# KiCad board sswkbd.kicad_pcb (continued)
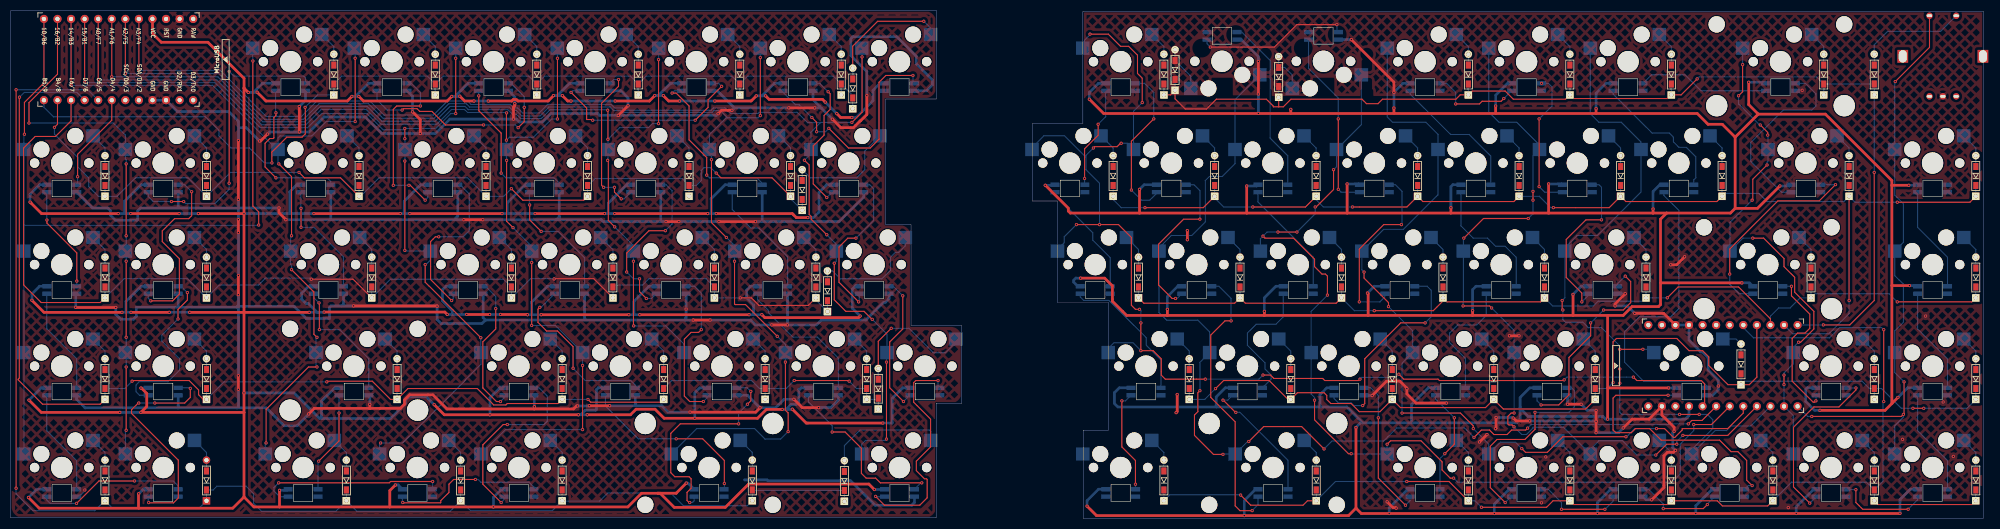
[diagram p0: board, top side]
## Routing (per net, layer and track width the routed paths; a pad name or vN(x,y) marks a point on that pad's centre or on a via; arc(x,y) is an arc through that point) (continued)
col_r_5: length 185.1
  Top w0.2: v1(244.22,58.34) 244.38,58.34 247.65,61.6 v1(247.65,65.32) ; v1(315.09,17.57) 318.4,17.57 U2.18 ; v1(237.24,53.64) v1(240.79,53.64) ; v1(250.95,12.11) 250.44,12.11 244.09,18.46 v1(244.09,22.14) ; v1(257.68,13.89) 258.32,14.52 264.03,14.52 267.97,10.58 267.97,9.06 269.49,7.54 v1(270.13,7.54) ; v1(234.44,52.87) 234.82,52.49 240.16,52.49 244.09,48.56 244.09,47.16 245.49,45.76 246.13,45.76 246.51,45.38 v1(246.51,41.83)
  Bottom w0.2: v1(246.51,41.83) 243.46,38.77 SW59.1 243.46,23.29 244.09,22.65 v1(244.09,22.14) ; v1(237.24,53.64) 235.2,53.64 v1(234.44,52.87) 233.96,52.39 SW43.1 ; 252.85,83.1 252.85,73.75 SW27.1 248.21,65.88 v1(247.65,65.32) ; v1(257.68,13.89) 257.68,12.08 SW74.1 251,12.06 v1(250.95,12.11) ; v1(244.22,58.34) 244.22,57.07 v1(240.79,53.64) ; v1(270.13,7.54) 270.89,6.77 311.02,6.77 312.55,8.3 312.55,13.89 315.09,16.43 v1(315.09,17.57)
col_r_6: length 196.1
  Top w0.2: U2.19 316.62,18.33 314.71,18.33 v1(314.07,17.7) ; v1(231.77,14.39) 234.57,17.19 241.68,17.19 v1(245.87,13) ; v1(222.63,23.92) 222.25,23.54 222.25,19.98 221.62,19.35 221.62,15.54 225.17,11.98 v1(226.95,11.98) ; v1(283.98,16.9) 283.62,16.54 280.98,16.54 280.14,15.7 277.68,15.7 276.88,16.5 276.88,16.54 275.32,16.54 v1(273.94,15.16)
  Bottom w0.2: v1(283.98,16.9) 284.65,17.57 310.51,17.57 310.64,17.7 v1(314.07,17.7) ; v1(273.94,15.16) 272.16,16.93 259.46,16.93 257.01,14.49 247.36,14.49 v1(245.87,13) ; v1(222.63,23.92) 222.63,29.23 SW58.1 224.46,34.92 222.25,37.13 216.41,37.13 214.96,38.58 SW42.1 214.96,50.66 217.3,53 221.11,53 223.65,55.54 223.65,63.29 224.41,64.05 226.82,64.05 229.21,66.43 SW26.1 229.21,78.45 233.85,83.1 ; v1(231.77,14.39) 231.57,14.39 SW73.1 227.02,12.06 v1(226.95,11.98)
col_r_7: length 233.7
  Top w0.2: v1(211.84,77.89) 211.84,82.47 210.95,83.35 210.95,86.78 209.3,88.43 207.77,88.43 205.49,90.72 v1(202.06,90.72) ; v1(199.52,55.03) 207.39,55.03 209.8,52.62 209.8,39.92 210.57,39.16 v1(211.33,39.16) ; v1(223.65,26.08) 216.15,26.08 215.39,26.84 215.39,29.89 213.87,31.41 v1(211.58,31.41) v1(211.58,36.62) ; v1(207.9,70.27) 207.77,70.27 207.14,69.64 202.95,69.64 v1(202.69,69.38) ; v1(290.83,25.95) 290.7,25.82 267.46,25.82 267.21,26.08 260.8,26.08 v1(259.88,27) ; v1(303.78,26.46) 304.42,25.82 316.48,25.82 317.12,25.19 317.12,21.37 U2.20 ; v1(234.44,26.84) 235.84,26.84 236.47,26.2 245.62,26.2 246,25.82 252.35,25.82 v1(252.6,26.08)
  Bottom w0.2: v1(207.9,70.27) 209.04,70.27 SW25.1 210.21,76.26 v1(211.84,77.89) ; 201.03,88.11 201.03,89.56 202.06,90.59 v1(202.06,90.72) ; v1(203.83,55.03) 203.83,62.78 201.3,65.32 201.3,67.67 ; v1(290.83,25.95) 291.34,26.46 v1(303.78,26.46) ; 201.3,67.67 197.29,71.67 193.42,71.67 191.53,69.78 191.53,69.11 ; 201.3,67.67 201.3,67.99 v1(202.69,69.38) ; v1(223.65,26.08) 233.68,26.08 v1(234.44,26.84) ; v1(211.58,36.62) 211.58,38.9 v1(211.33,39.16) ; v1(211.58,31.41) 210.09,32.91 206.55,32.91 205.78,32.14 205.78,31.06 ; 196.28,50.08 196.28,50.68 197.23,51.63 197.23,52.75 v1(199.52,55.03) ; v1(259.88,27) 259.28,26.4 252.93,26.4 v1(252.6,26.08)
LED: length 18.6
  Top w0.2: v1(12.53,64) 12.53,68.2 18.92,74.6 U1.7
  Bottom w0.2: LED1.4 12.53,62.67 v1(12.53,64)
row0: length 188.8
  Top w0.2: v1(55.12,77) 55.16,76.96 55.16,72.04 54.54,71.42 51.69,71.42 48.89,68.62 v1(48.89,66.59)
  Bottom w0.2: D2.1 80.97,82.85 97.01,82.85 D3.1 ; D2.1 78.01,82.85 61.97,82.85 D1.1 D1.1 57.45,79.34 v1(55.12,77) ; D2.1 D2.1 ; v1(48.89,66.59) 47.5,66.59 44.7,69.38 41.28,69.38 38.99,71.67 38.99,72.69 36.45,75.23 8,75.23 6.22,77 6.22,78.35 ; D5.1 D5.1 ; D5.1 135.01,82.85 118.97,82.85 D4.1 ; D5.1 137.97,82.85 154.01,82.85 D6.1 ; D7.1 D7.1 157.63,79.23 D6.1 ; D6.1 D6.1 ; D4.1 116.01,82.85 99.97,82.85 D3.1 ; D4.1 D4.1 ; D3.1 D3.1
row1: length 188.1
  Top w0.2: v1(53.97,64.81) 54.99,63.8 61.75,63.8 D18.1 ; D20.1 107.26,59.61 95.89,59.61 v1(93.73,61.76) ; D22.1 142.53,63.8 132.97,63.8 v1(132.08,64.69) ; 8.76,78.35 8.76,73.83 v1(8.19,73.26)
  Bottom w0.2: D21.1 D21.1 ; D21.1 128.37,62.37 129.29,63.29 129.29,65.19 129.79,65.7 131.06,65.7 v1(132.08,64.69) ; D21.1 125.71,63.65 109.39,63.65 108.11,62.37 D20.1 D20.1 ; D23.1 D23.1 145.99,59.89 D22.1 D22.1 ; D16.1 D16.1 ; D16.1 19.91,60.34 23.37,63.8 33.19,63.8 D17.1 ; D16.1 16.41,60.34 14.6,62.15 14.6,63.8 12.57,65.83 12.57,67.61 8.19,71.99 v1(8.19,73.26) ; D17.1 D17.1 ; D17.1 36.67,60.34 41.15,64.81 v1(53.97,64.81) ; v1(93.73,61.76) 92.3,60.34 D19.1 ; D19.1 85.53,63.8 68.96,63.8 65.5,60.34 D18.1 D18.1 ; D19.1 D19.1
row2: length 223.9
  Top w0.2: 11.3,78.35 11.3,74.46 8.38,71.54 4.57,71.54 2.41,69.38 2.41,43.73 5.71,40.43 16.76,40.43 17.65,41.31 D33.1 ; v1(56.28,44.8) 64.1,44.8 D35.1 ; D37.1 109.15,44.9 101.78,44.9 v1(101.73,44.85) ; D39.1 149.33,39.9 140.08,39.9 138.68,41.3 v1(136.58,41.3)
  Bottom w0.2: D35.1 D35.1 71.08,44.8 92.29,44.8 D36.1 D36.1 97.33,44.9 101.68,44.9 v1(101.73,44.85) ; D33.1 D33.1 21.24,44.9 33.06,44.9 D34.1 ; D34.1 39.04,43.7 46.38,43.7 47.68,45 56.08,45 v1(56.28,44.8) ; D34.1 D34.1 ; D39.1 D39.1 150.74,40.9 D40.1 D40.1 ; v1(136.58,41.3) 136.57,41.31 D38.1 D38.1 130.19,44.9 119.48,44.9 118.28,43.7 113.09,43.7 D37.1 D37.1
row3: length 256.8
  Top w0.2: D53.1 121.71,21.76 108.58,21.76 v1(108.08,22.27) ; v1(59.18,25.57) 59.31,25.7 67.69,25.7 71.1,22.29 D51.1 74.37,24.32 87.35,24.32 90.42,21.25 92.71,21.25 92.96,21.51 102.46,21.51 D52.1 ; v1(22.73,25.7) 22.86,25.82 33.4,25.82 35.18,24.05 35.18,23.16 36.05,22.29 D50.1 ; v1(1.65,78.91) 1.62,78.87 1.62,26.28 1.42,26.08 1.42,25.93 5.97,21.38 16.75,21.38 D49.1 ; v1(156.97,25.7) 156.85,25.82 v1(146.69,25.82)
  Bottom w0.2: v1(1.65,78.91) 2.54,79.8 12.39,79.8 U1.9 ; v1(22.73,25.7) 21.36,24.32 D49.1 D49.1 ; v1(108.08,22.27) 108.06,22.29 D52.1 D52.1 ; v1(146.69,25.82) 145.18,24.32 D54.1 ; D51.1 D51.1 ; D54.1 140.19,24.32 138.68,25.82 123.74,25.82 D53.1 D53.1 ; D54.1 D54.1 ; D50.1 D50.1 39.94,25.57 v1(59.18,25.57) ; D56.1 D56.1 162.32,22.51 162.1,22.29 D55.1 D55.1 158.35,24.32 v1(156.97,25.7)
row4: length 273.7
  Top w0.2: v1(1.02,80.31) v1(1.02,5.63)
  Bottom w0.2: D68.1 D68.1 ; D68.1 82.27,1.31 64.81,1.31 D67.1 ; D68.1 86.09,1.44 101.39,1.44 D69.1 ; D69.1 103.31,3.22 110.24,3.22 111.76,4.74 123.57,4.74 125.95,2.36 137.92,2.36 D70.1 D70.1 138.94,5.22 D71.1 D71.1 ; D69.1 D69.1 ; v1(1.02,5.63) 1.02,4.61 4.19,1.44 15.75,1.44 17.59,3.29 D65.1 ; D65.1 18.99,1.95 35.31,1.95 D66.1 D66.1 37.92,5.32 38.61,6.01 44.07,6.01 45.47,4.61 45.47,2.84 46.99,1.31 60.87,1.31 D67.1 ; D65.1 D65.1 ; U1.8 14.42,80.31 v1(1.02,80.31) ; D67.1 D67.1
row5: length 215.4
  Top w0.2: v1(315.72,82.34) 312.72,79.34 D13.1 310.21,78.66 292.57,78.66 D12.1 291.08,78.53 281.31,78.53 279.78,80.05 273.6,80.05 D11.1 271.36,79.34 270.55,78.53 256.82,78.53 255.98,77.69 253.82,77.69 252.98,78.53 239.68,78.53 238.25,77.1 237.38,77.1 ; v1(339.34,36.24) 344.3,36.24 348.87,40.81 v1(348.87,64.81) ; 237.38,77.1 236.38,77.1 236.38,77.23 235.08,78.53 225.71,78.53 223.88,76.7 219.88,76.7 217.98,78.6 D9.1 217.12,79.34 D8.1 ; 237.38,77.1 D10.1
  Bottom w0.2: v1(339.34,36.24) 339.32,36.21 U2.12 ; D13.1 D13.1 ; 348.86,81.37 D15.1 ; D15.1 D15.1 v1(348.87,64.81) ; D15.1 339.42,81.38 D14.1 ; D14.1 D14.1 ; D14.1 338.06,82.72 316.1,82.72 v1(315.72,82.34) ; D11.1 D11.1 ; D8.1 D8.1 ; D10.1 D10.1 ; D9.1 D9.1 ; D12.1 D12.1
row6: length 227.8
  Top w0.2: v1(251.21,58.34) 261.39,58.34 D27.1 264.37,59.35 281.4,59.35 D28.1 ; D25.1 223.26,58.21 v1(212.34,58.21) ; D32.1 366.78,59.22 v1(353.19,59.22) ; D30.1 319.4,59.35 302.37,59.35 D29.1 299.26,58.21 v1(288.8,58.21) ; D31.1 344.16,40.82 v1(344.17,40.81) ; v1(232.54,58.34) 242.39,58.34 D26.1
  Bottom w0.2: D28.1 D28.1 286.16,60.34 288.29,58.21 v1(288.8,58.21) ; v1(251.21,58.34) 245.75,58.34 244.39,59.69 D26.1 D26.1 ; D32.1 D32.1 ; D24.1 D24.1 206.39,59.72 207.9,58.21 v1(212.34,58.21) ; v1(353.19,59.22) 345.27,59.22 D31.1 ; D30.1 D30.1 320.93,60.88 327.28,60.88 328.8,59.35 343.18,59.35 D31.1 ; D27.1 D27.1 ; D31.1 D31.1 ; v1(232.54,58.34) 227.08,58.34 225.39,60.02 D25.1 D25.1 ; D29.1 D29.1 ; U2.11 333.6,34.59 340.36,34.59 344.17,38.4 v1(344.17,40.81)
row7: length 187.8
  Top w0.2: U2.10 329.44,37.38 323.47,43.35 312.17,43.35 v1(310.13,41.32) ; D43.1 248.13,40.3 231.15,40.3 D42.1 229.13,40.3 212.15,40.3 D41.1 ; v1(255.27,38.9) 266.32,38.9 268.14,40.72 D44.1 268.89,40.56 286.38,40.56 D45.1 ; v1(353.19,40.56) 367.13,40.56 D48.1
  Bottom w0.2: D46.1 310.13,41.31 v1(310.13,41.32) ; D46.1 D46.1 ; D46.1 305.51,40.68 297.18,40.68 296.29,39.79 288.65,39.79 D45.1 D45.1 ; D47.1 337.81,42.08 351.66,42.08 v1(353.19,40.56) ; D47.1 335.02,41.31 333.12,39.41 330.96,39.41 329.44,37.89 U2.10 ; D47.1 D47.1 ; D41.1 D41.1 ; D43.1 D43.1 251.54,38.9 v1(255.27,38.9) ; D48.1 D48.1 ; D44.1 D44.1 ; D42.1 D42.1
row8: length 201.9
  Top w0.2: v1(299.97,25.44) 299.97,33.06 300.61,33.7 311.91,33.7 314.2,31.41 316.74,31.41 317.88,30.27 317.88,28.64 321.48,25.04 D62.1 325.48,25.04 326.9,26.46 U2.9 ; D61.1 294.84,20.49 279.43,20.49 D60.1 276.1,20.74 260.18,20.74 D59.1 256.33,19.98 252.48,19.98 250.95,21.51 247.14,21.51 246.38,22.27 246.38,23.03 245.87,23.54 240.89,23.54 D58.1 239.12,22.29 235.58,25.82 227.08,25.82 v1(225.55,24.3) ; v1(358.14,20.62) v1(356.11,20.62)
  Bottom w0.2: D61.1 D61.1 298.85,24.32 v1(299.97,25.44) ; D59.1 D59.1 ; D58.1 D58.1 ; v1(356.11,20.62) 353.95,20.62 350.24,24.32 D63.1 ; D64.1 D64.1 366.22,20.62 v1(358.14,20.62) ; D57.1 D57.1 223.54,22.29 v1(225.55,24.3) ; D63.1 D63.1 ; D63.1 347.96,24.32 346.58,25.7 324.58,25.7 D62.1 D62.1 ; D60.1 D60.1
row9: length 237.2
  Top w0.2: v1(350.65,21.89) v1(350.65,35.35) ; v1(275.34,2.07) 287.53,2.07 288.74,3.29 D75.1 292.59,2.58 310.18,2.58 D76.1 319.48,3.29 320.44,2.33 328.93,2.33 D77.1 ; D78.1 349.59,2.58 367.18,2.58 D79.1 ; v1(230.25,4.36) 232.16,2.46 241.94,2.46 242.77,3.29 D73.1 ; v1(261.37,6.9) 269.27,6.9 D74.1
  Bottom w0.2: D73.1 D73.1 248.03,6.9 v1(261.37,6.9) ; D76.1 D76.1 ; D77.1 D77.1 333.38,6.77 347.43,6.77 D78.1 ; D79.1 D79.1 ; v1(350.65,35.35) 350.27,35.73 342.39,35.73 340.49,33.82 326.26,33.82 324.36,35.73 U2.8 ; D75.1 D75.1 ; D74.1 D74.1 274.12,3.29 v1(275.34,2.07) ; v1(350.65,21.89) 350.52,21.76 350.52,6.95 D78.1 ; D72.1 D72.1 217.01,4.4 230.21,4.4 v1(230.25,4.36) ; D78.1 D78.1
Net-(D1-A): length 6.7
  Bottom w0.2: D1.2 D1.2 60.49,88.39 SW1.2
Net-(D2-A): length 6.7
  Bottom w0.2: D2.2 D2.2 79.49,88.39 SW2.2
Net-(D3-A): length 6.7
  Bottom w0.2: SW3.2 98.49,88.39 D3.2 D3.2
Net-(D4-A): length 6.7
  Bottom w0.2: SW4.2 117.49,88.39 D4.2 D4.2
Net-(D5-A): length 6.7
  Bottom w0.2: SW5.2 136.49,88.39 D5.2 D5.2
Net-(D6-A): length 6.7
  Bottom w0.2: SW6.2 155.49,88.39 D6.2 D6.2
Net-(D7-A): length 24.4
  Top w0.2: v1(170.94,93.13) 162.31,93.13 157.63,88.46 D7.2
  Bottom w0.2: v1(170.94,93.13) 172.24,91.84 SW7.2 ; D7.2 D7.2
Net-(D8-A): length 6.7
  Bottom w0.2: SW8.2 215.89,88.39 D8.2 D8.2
Net-(D9-A): length 8.5
  Bottom w0.2: D9.2 D9.2 220.92,82.83 SW9.2
Net-(D10-A): length 7.7
  Bottom w0.2: D10.2 D10.2 238.5,84.48 239.92,83.06 SW10.2
Net-(D11-A): length 6.7
  Bottom w0.2: SW11.2 272.89,88.39 D11.2 D11.2
Net-(D12-A): length 6.7
  Bottom w0.2: D12.2 D12.2 291.89,88.39 SW12.2
Net-(D13-A): length 6.7
  Bottom w0.2: SW13.2 310.89,88.39 D13.2 D13.2
Net-(D14-A): length 6.7
  Bottom w0.2: D14.2 D14.2 339.41,88.39 SW14.2
Net-(D15-A): length 21.4
  Bottom w0.2: SW15.S1 361.3,91.25 351.38,91.25 348.87,88.74 D15.2 D15.2
Net-(D16-A): length 6.7
  Bottom w0.2: D16.2 D16.2 17.65,69.39 SW16.2
Net-(D17-A): length 6.7
  Bottom w0.2: SW17.2 36.65,69.39 D17.2 D17.2
Net-(D18-A): length 6.7
  Bottom w0.2: D18.2 D18.2 65.21,69.39 SW18.2
Net-(D19-A): length 6.7
  Bottom w0.2: D19.2 D19.2 88.99,69.39 SW19.2
Net-(D20-A): length 6.7
  Bottom w0.2: SW20.2 107.99,69.39 D20.2 D20.2
Net-(D21-A): length 6.7
  Bottom w0.2: D21.2 D21.2 126.99,69.39 SW21.2
Net-(D22-A): length 6.7
  Bottom w0.2: D22.2 D22.2 145.99,69.39 SW22.2
Net-(D23-A): length 22.5
  Bottom w0.2: D23.2 D23.2 149.71,63.8 158.37,63.8 159.89,65.32 159.89,68.8 SW23.2
Net-(D24-A): length 6.7
  Bottom w0.2: SW24.2 206.39,69.39 D24.2 D24.2
Net-(D25-A): length 6.7
  Bottom w0.2: D25.2 D25.2 225.39,69.39 SW25.2
Net-(D26-A): length 6.7
  Bottom w0.2: SW26.2 244.39,69.39 D26.2 D26.2
Net-(D27-A): length 6.7
  Bottom w0.2: SW27.2 263.39,69.39 D27.2 D27.2
Net-(D28-A): length 6.7
  Bottom w0.2: SW28.2 282.39,69.39 D28.2 D28.2
Net-(D29-A): length 6.7
  Bottom w0.2: SW29.2 301.39,69.39 D29.2 D29.2
Net-(D30-A): length 6.7
  Bottom w0.2: SW30.2 320.39,69.39 D30.2 D30.2
Net-(D31-A): length 6.7
  Bottom w0.2: D31.2 D31.2 344.16,69.39 SW31.2
Net-(D32-A): length 6.7
  Bottom w0.2: SW32.2 367.89,69.39 D32.2 D32.2
Net-(D33-A): length 6.7
  Bottom w0.2: D33.2 D33.2 17.65,50.37 SW33.2
Net-(D34-A): length 6.7
  Bottom w0.2: SW34.2 36.65,50.37 D34.2 D34.2
Net-(D35-A): length 6.7
  Bottom w0.2: D35.2 D35.2 67.59,50.37 SW35.2
Net-(D36-A): length 6.7
  Bottom w0.2: D36.2 93.74,50.39 91.51,52.62 SW36.2
Net-(D37-A): length 6.7
  Bottom w0.2: D37.2 D37.2 112.74,50.37 SW37.2
Net-(D38-A): length 6.7
  Bottom w0.2: SW38.2 131.74,50.37 D38.2 D38.2
Net-(D39-A): length 6.7
  Bottom w0.2: D39.2 D39.2 150.74,50.37 SW39.2
Net-(D40-A): length 22.8
  Bottom w0.2: D40.2 D40.2 153.83,46.36 155.32,44.87 163.07,44.87 164.72,46.52 164.72,48.94 165.61,49.83 166.24,49.83 167.49,51.07 SW40.2
Net-(D41-A): length 6.7
  Bottom w0.2: D41.2 D41.2 211.14,50.37 208.88,52.62
Net-(D42-A): length 6.7
  Bottom w0.2: D42.2 D42.2 230.14,50.37 227.88,52.62
Net-(D43-A): length 6.7
  Bottom w0.2: SW43.2 249.14,50.37 D43.2 D43.2
Net-(D44-A): length 6.7
  Bottom w0.2: SW44.2 268.14,50.37 D44.2 D44.2
Net-(D45-A): length 6.7
  Bottom w0.2: D45.2 D45.2 287.14,50.37 SW45.2
Net-(D46-A): length 6.7
  Bottom w0.2: D46.2 D46.2 306.14,50.37 SW46.2
Net-(D47-A): length 6.7
  Bottom w0.2: SW47.2 337.04,50.37 D47.2 D47.2
Net-(D48-A): length 6.7
  Bottom w0.2: SW48.2 367.89,50.37 D48.2 D48.2
Net-(D49-A): length 6.7
  Bottom w0.2: D49.2 D49.2 17.65,31.34 SW49.2
Net-(D50-A): length 6.7
  Bottom w0.2: SW50.2 36.65,31.34 D50.2 D50.2
Net-(D51-A): length 6.7
  Bottom w0.2: SW51.2 72.34,31.34 D51.2 D51.2
Net-(D52-A): length 6.7
  Bottom w0.2: D52.2 D52.2 103.24,31.34 SW52.2
Net-(D53-A): length 6.7
  Bottom w0.2: D53.2 D53.2 122.24,31.34 SW53.2
Net-(D54-A): length 6.7
  Bottom w0.2: D54.2 D54.2 141.24,31.34 SW54.2
Net-(D55-A): length 6.7
  Bottom w0.2: SW55.2 160.24,31.34 D55.2 D55.2
Net-(D56-A): length 26
  Top w0.2: v1(164.85,35.6) 162.42,33.17 D56.2
  Bottom w0.2: D56.2 D56.2 ; v1(164.85,35.6) 168.15,35.6 172.72,31.03 175.01,31.03 176.99,33.01 SW56.2
Net-(D57-A): length 6.7
  Bottom w0.2: D57.2 D57.2 220.64,31.34 218.38,33.6
Net-(D58-A): length 6.7
  Bottom w0.2: SW58.2 239.64,31.34 D58.2 D58.2
Net-(D59-A): length 6.7
  Bottom w0.2: D59.2 D59.2 258.64,31.34 SW59.2
Net-(D60-A): length 6.7
  Bottom w0.2: SW60.2 277.64,31.34 D60.2 D60.2
Net-(D61-A): length 6.7
  Bottom w0.2: SW61.2 296.64,31.34 D61.2 D61.2
Net-(D62-A): length 5.8
  Bottom w0.2: SW62.2 322.99,33.6 D62.2 323.93,30.62
Net-(D63-A): length 6.7
  Bottom w0.2: D63.2 D63.2 348.89,31.34 SW63.2
Net-(D64-A): length 6.7
  Bottom w0.2: D64.2 D64.2 367.89,31.34 SW64.2
Net-(D65-A): length 6.7
  Bottom w0.2: SW65.2 17.65,12.34 D65.2 D65.2
Net-(D66-A): length 6.7
  Bottom w0.2: SW66.2 36.65,12.34 D66.2 D66.2
Net-(D67-A): length 6.7
  Bottom w0.2: SW67.2 62.84,12.34 D67.2 D67.2
Net-(D68-A): length 6.7
  Bottom w0.2: D68.2 D68.2 84.24,12.34 SW68.2
Net-(D69-A): length 6.7
  Bottom w0.2: D69.2 D69.2 103.24,12.34 SW69.2
Net-(D70-A): length 6.7
  Bottom w0.2: SW70.2 138.84,12.34 D70.2 D70.2
Net-(D71-A): length 24
  Bottom w0.2: SW71.2 172.24,16.27 171.96,16.55 159,16.55 156.07,13.62 D71.2 D71.2
Net-(D72-A): length 6.7
  Bottom w0.2: D72.2 D72.2 215.89,12.34 SW72.2
Net-(D73-A): length 6.7
  Bottom w0.2: D73.2 D73.2 244.41,12.34 SW73.2
Net-(D74-A): length 6.7
  Bottom w0.2: SW74.2 272.89,12.34 D74.2 D74.2
Net-(D75-A): length 6.7
  Bottom w0.2: SW75.2 291.89,12.34 D75.2 D75.2
Net-(D76-A): length 6.7
  Bottom w0.2: D76.2 D76.2 310.89,12.34 SW76.2
Net-(D77-A): length 6.7
  Bottom w0.2: SW77.2 329.89,12.34 D77.2 D77.2
Net-(D78-A): length 6.7
  Bottom w0.2: SW78.2 348.89,12.34 D78.2 D78.2
Net-(D79-A): length 6.7
  Bottom w0.2: SW79.2 367.89,12.34 D79.2 D79.2
Net-(LED1-DOUT): length 20
  Top w0.2: v1(6.78,55.9) 6.78,55.32 12.38,49.72 v1(12.38,44.45)
  Bottom w0.2: v1(12.38,44.45) 12.38,43.5 LED2.4 ; LED1.2 6.76,55.92 v1(6.78,55.9)
Net-(LED2-DOUT): length 19.9
  Bottom w0.2: LED3.4 12.36,29.92 6.76,35.52 LED2.2
Net-(LED3-DOUT): length 19.9
  Bottom w0.2: LED3.2 6.76,16.42 12.36,10.82 LED4.4
Net-(LED4-DOUT): length 28.2
  Top w0.2: v1(23.18,7) 16.53,7 v1(12.33,2.8)
  Bottom w0.2: v1(23.18,7) 30.42,7 31.36,6.06 LED5.4 ; v1(12.33,2.8) 7.4,2.8 6.76,3.44 LED4.2
Net-(LED5-DOUT): length 43.2
  Top w0.2: v1(26.98,21.6) 32.58,21.6 33.63,22.65 v1(33.63,24.35) ; v1(25.83,2.95) 25.88,2.9 30.48,2.9 31.38,3.8 31.38,10.9 22.63,19.65 22.63,20.35 23.88,21.6 v1(23.98,21.6)
  Bottom w0.2: v1(25.83,2.95) 25.76,3.02 LED5.2 ; v1(26.98,21.6) v1(23.98,21.6) ; LED6.4 33.53,24.45 v1(33.63,24.35)
Net-(LED6-DOUT): length 33.2
  Top w0.2: v1(31.33,37.35) 31.33,39.15 33.08,40.9 v1(33.08,42.3)
  Bottom w0.2: LED7.4 31.9,43.48 v1(33.08,42.3) ; v1(31.33,37.35) 28.3,34.33 28.3,33.18 31.63,29.85 31.63,27.8 29.43,25.6 24.08,25.6 23.48,25 23.48,23.7 24.13,23.05 LED6.2
Net-(LED7-DOUT): length 34.8
  Top w0.2: v1(26.23,40.75) 30.3,40.75 31.58,42.02 31.58,48.65 28.38,51.85 28.38,53.85 30.68,56.15 33.33,56.15 33.88,56.7 v1(33.88,61.2)
  Bottom w0.2: v1(33.88,61.2) 32.58,62.5 LED8.4 ; v1(26.23,40.75) 25.76,41.22 LED7.2
Net-(LED8-DOUT): length 55.5
  Top w0.2: v1(40.89,62.78) v1(40.89,83.74) ; v1(30.1,59.35) v1(32.38,59.35)
  Bottom w0.2: v1(40.89,62.78) 40.89,61.64 38.23,58.97 32.77,58.97 v1(32.38,59.35) ; LED8.2 25.76,60.26 26.67,59.35 v1(30.1,59.35) ; LED9.4 55.19,82.52 54.86,82.85 41.78,82.85 v1(40.89,83.74)
Net-(LED10-DIN): length 29.5
  Top w0.2: v1(49.66,75.99) 49.66,75.48 49.28,75.1 49.28,71.29 49.15,71.16 48.51,71.16 47.62,70.27 47.62,65.83 v1(49.66,63.8)
  Bottom w0.2: v1(49.66,75.99) 49.59,76.05 LED9.2 ; LED10.4 59.92,63.11 59.24,63.8 v1(49.66,63.8)
Net-(LED10-DOUT): length 22.3
  Top w0.2: v1(54.36,58.08) v1(54.36,54.53)
  Bottom w0.2: LED11.4 62.29,49 56.77,54.53 v1(54.36,54.53) ; LED10.2 54.32,58.12 v1(54.36,58.08)
Net-(LED11-DOUT): length 24.1
  Top w0.2: v1(57.78,35.35) 57.78,40.3 v1(57.72,40.36)
  Bottom w0.2: v1(57.78,35.35) 61.6,35.35 67.04,29.91 LED12.4 ; LED11.2 56.69,41.39 v1(57.72,40.36)
Net-(LED12-DOUT): length 19.2
  Top w0.2: v1(61.47,19.73) 61.47,14.52 v1(57.66,10.71)
  Bottom w0.2: LED12.2 61.44,19.75 v1(61.47,19.73) ; v1(57.66,10.71) 57.54,10.6 LED13.4
Net-(LED13-DOUT): length 35.4
  Top w0.2: v1(78.99,6.9) 71.12,6.9 70.87,6.65 v1(50.17,6.65)
  Bottom w0.2: LED14.4 78.99,5.5 v1(78.99,6.9) ; v1(50.17,6.65) 49.28,5.76 49.28,5.12 50.35,4.05 LED13.2
Net-(LED14-DOUT): length 29.6
  Top w0.2: v1(73.41,2.96) 73.47,2.9 80.46,2.9 80.52,2.96 80.52,3.32 82.04,4.85 82.04,6.39 82.93,7.28 v1(87,7.28)
  Bottom w0.2: v1(87,7.28) 87.5,7.28 88.01,6.77 97.03,6.77 97.94,5.86 LED15.4 ; v1(73.41,2.96) 73.34,3.03 LED14.2
Net-(LED15-DOUT): length 35.3
  Top w0.2: v1(92.96,17.57) 92.2,17.57 88.39,13.76 88.39,6.39 v1(91.82,2.96)
  Bottom w0.2: v1(91.82,2.96) 92.34,3.49 LED15.2 ; v1(92.96,17.57) 99.82,17.57 100.46,18.2 100.46,22.9 98.91,24.45 LED16.4
Net-(LED16-DOUT): length 27.1
  Top w0.2: v1(91.69,21.89) 90.93,21.89 88.39,24.43 88.39,33.06 90.81,35.48 v1(90.81,39.29)
  Bottom w0.2: v1(90.81,39.29) 90.81,41.55 88.88,43.48 LED17.4 ; LED16.2 92.34,22.54 v1(91.69,21.89)
Net-(LED17-DOUT): length 31.9
  Top w0.2: v1(82.55,40.81) 78.61,44.75 78.61,51.86 79.5,52.75 v1(80.14,52.75)
  Bottom w0.2: LED17.2 82.84,41.1 v1(82.55,40.81) ; v1(80.14,52.75) 84.71,52.75 85.85,53.89 85.85,60.78 84.13,62.5 LED18.4
Net-(LED18-DOUT): length 34.2
  Top w0.2: v1(77.6,59.61) 74.8,62.4 v1(74.55,62.4) ; v1(76.71,77.26) 72.26,77.26 71.63,76.62 v1(71.63,62.4)
  Bottom w0.2: LED18.2 78.09,60.1 v1(77.6,59.61) ; v1(76.71,77.26) 76.71,79.8 75,81.5 LED19.4 ; v1(74.55,62.4) v1(71.63,62.4)
Net-(LED19-DOUT): length 40.7
  Top w0.2: v1(88.52,73.7) 81.41,73.7 78.87,76.24 76.58,76.24 76.07,76.75 73.54,76.75 v1(73.28,76.5) ; v1(95,73.19) 96.14,74.34 v1(96.14,77)
  Bottom w0.2: LED20.4 93.63,81.5 96.14,78.99 v1(96.14,77) ; v1(88.52,73.7) 94.49,73.7 v1(95,73.19) ; v1(73.28,76.5) 70.48,76.5 68.59,78.39 LED19.2
Net-(LED20-DOUT): length 29.1
  Top w0.2: v1(87.63,79.16) 87.63,76.37 91.82,72.18 v1(91.82,64.69)
  Bottom w0.2: LED20.2 87.59,79.2 v1(87.63,79.16) ; v1(91.82,64.69) 92.71,63.8 101.73,63.8 102.69,62.83 LED21.4
Net-(LED21-DOUT): length 23.8
  Top w0.2: v1(97.16,58.72) 97.16,55.92 v1(99.31,53.76)
  Bottom w0.2: LED22.4 107.44,48.81 102.49,53.76 v1(99.31,53.76) ; v1(97.16,58.72) 97.09,58.78 LED21.2
Net-(LED22-DOUT): length 32.8
  Top w0.2: v1(105.28,28.11) 105.28,32.17 102.36,35.09 100.33,35.09 98.71,36.71 98.71,39.19 v1(99.06,39.54)
  Bottom w0.2: LED22.2 99.31,39.54 v1(99.06,39.54) ; LED23.4 116.94,24.96 116.08,25.82 107.57,25.82 v1(105.28,28.11)
Net-(LED23-DOUT): length 33.9
  Top w0.2: v1(124.59,14.9) 129.54,14.9 133.6,10.84 v1(133.6,6.52)
  Bottom w0.2: v1(133.6,6.52) 133.6,5.51 LED24.4 ; LED23.2 111.34,21.05 117.49,14.9 v1(124.59,14.9)
Net-(LED24-DOUT): length 41.8
  Top w0.2: v1(127.13,2.96) 127,2.96 126.62,3.34 126.62,4.87 127.38,5.63 127.38,7.41 127,7.79 124.33,7.79 123.57,8.55 123.57,15.92 125.35,17.7 v1(136.27,17.7) ; v1(138.56,23.79) 138.56,22.01 v1(137.92,21.38)
  Bottom w0.2: LED25.4 137.9,24.45 v1(138.56,23.79) ; LED24.2 127.94,3.27 127.64,2.96 v1(127.13,2.96) ; v1(137.92,21.38) 136.27,19.73 v1(136.27,17.7)
Net-(LED25-DOUT): length 30.2
  Top w0.2: v1(129.67,21.89) 127.13,21.89 126.11,22.9 126.11,33.57 127.38,34.84 128.78,34.84 v1(129.29,35.35)
  Bottom w0.2: LED25.2 130.34,22.56 v1(129.67,21.89) ; LED27.4 128.01,43.48 129.29,42.21 v1(129.29,35.35)
Net-(LED26-DIN): length 32.5
  Top w0.2: v1(115.32,46.14) 115.32,49.7 119.51,53.89 v1(122.55,53.89) ; v1(117.73,44.87) 117.73,42.46 v1(119,41.19)
  Bottom w0.2: LED27.2 119.96,41.19 v1(119,41.19) ; LED26.4 122.71,62.5 123.83,61.38 123.83,55.16 v1(122.55,53.89) ; v1(117.73,44.87) 116.59,44.87 v1(115.32,46.14)
Net-(LED26-DOUT): length 30.6
  Top w0.2: v1(113.03,62.02) 113.03,61.13 v1(114.3,59.86) ; v1(113.79,82.21) 113.79,80.94 110.62,77.77 110.62,62.4 v1(111,62.02)
  Bottom w0.2: LED26.2 114.85,59.86 v1(114.3,59.86) ; v1(113.03,62.02) v1(111,62.02) ; v1(113.79,82.21) 112.9,82.21 LED28.4
Net-(LED28-DOUT): length 39
  Top w0.2: v1(133.1,80.94) 130.56,78.4 130.56,77 v1(128.14,74.59) ; v1(108.97,74.59) 108.84,74.72 107.82,74.72 107.82,76.88 v1(104.9,79.8)
  Bottom w0.2: v1(104.9,79.8) 105.21,80.1 LED28.2 ; v1(108.97,74.59) v1(128.14,74.59) ; LED29.4 132.54,81.5 v1(133.1,80.94)
Net-(LED29-DOUT): length 31.7
  Top w0.2: v1(130.3,64.3) 130.3,67.61 127,70.91 127,77.26 124.59,79.67 v1(123.83,79.67)
  Bottom w0.2: v1(123.83,79.67) 124.26,80.1 LED29.2 ; LED30.4 140.69,62.78 139.67,63.8 130.81,63.8 v1(130.3,64.3)
Net-(LED30-DOUT): length 22.8
  Bottom w0.2: LED30.2 135.09,57.86 138.56,54.4 140.08,54.4 145.44,49.04 LED31.4
Net-(LED31-DOUT): length 26.6
  Bottom w0.2: LED32.4 154.94,30.01 151,33.95 146.43,33.95 141.86,38.52 141.86,38.94 139.84,40.96 LED31.2
Net-(LED32-DOUT): length 34
  Top w0.2: v1(153.8,16.17) 156.21,16.17 159.26,13.12 159.26,8.42 160.15,7.54 161.93,7.54 162.81,6.65 v1(170.56,6.65)
  Bottom w0.2: LED33.4 170.39,6.65 v1(170.56,6.65) ; LED32.2 149.34,21.81 153.8,17.36 v1(153.8,16.17)
Net-(LED33-DOUT): length 43.9
  Top w0.2: v1(161.93,4.11) 163.58,2.46 170.18,2.46 171.58,3.85 171.58,7.28 171.45,7.41 171.07,7.41 169.55,8.93 169.55,10.71 172.21,13.38 172.21,18.58 169.04,21.75 169.04,25.43 169.44,25.82 v1(173.61,25.82)
  Bottom w0.2: LED33.2 161.98,4.05 v1(161.93,4.11) ; v1(173.61,25.82) 173.61,24.79 LED34.4
Net-(LED34-DOUT): length 26.9
  Top w0.2: v1(167.13,21.89) 164.56,24.46 164.56,33.03 167,35.48 v1(167,41.7)
  Bottom w0.2: LED34.2 168.3,23.05 v1(167.13,21.89) ; LED36.4 165.23,43.48 v1(167,41.7)
Net-(LED35-DIN): length 30
  Top w0.2: v1(158.75,40.56) 155.07,44.24 155.07,50.84 156.72,52.49 v1(158.24,52.49)
  Bottom w0.2: LED36.2 158.84,40.65 v1(158.75,40.56) ; v1(158.24,52.49) 161.54,55.8 161.54,61.76 160.81,62.5 LED35.4
Net-(LED35-DOUT): length 27.6
  Top w0.2: v1(152.78,60.11) 150.24,62.65 150.24,69.77 152.27,71.8 152.27,75.48 153.42,76.62 153.42,79.54 v1(153.04,79.93)
  Bottom w0.2: LED37.4 151.46,81.5 v1(153.04,79.93) ; v1(152.78,60.11) 153.77,61.1 LED35.2
Net-(LED37-DOUT): length 44
  Top w0.2: v1(150.88,72.43) 150.88,74.21 v1(149.99,75.1) ; v1(153.16,73.07) 156.85,69.38 160.91,69.38 162.56,71.04 162.56,81.7 163.83,82.97 v1(168.91,82.97)
  Bottom w0.2: v1(168.91,82.97) 168.91,81.79 LED38.4 ; v1(153.16,73.07) 152.53,72.43 v1(150.88,72.43) ; v1(149.99,75.1) 147.59,77.5 146.92,77.5 144.59,79.83 LED37.2
Net-(LED39-DOUT): length 19.9
  Bottom w0.2: LED39.2 356.99,54.53 362.59,48.93 LED40.4
Net-(LED40-DOUT): length 19.9
  Bottom w0.2: LED41.4 362.59,29.88 356.99,35.48 LED40.2
Net-(LED41-DOUT): length 19.9
  Bottom w0.2: LED42.4 362.59,10.83 356.99,16.43 LED41.2
Net-(LED42-DOUT): length 17.7
  Top w0.2: v1(345.44,5.38) 345.44,2.96 346.71,1.69 v1(355.22,1.69)
  Bottom w0.2: v1(345.44,5.38) 343.67,5.38 LED43.4 ; v1(355.22,1.69) 356.99,3.47 LED42.2
Net-(LED43-DOUT): length 34
  Top w0.2: v1(336.8,2.84) 333.76,5.88 333.76,17.06 337.57,20.87 342.26,20.87 345.44,24.05 v1(345.44,24.43)
  Bottom w0.2: v1(336.8,2.84) 337.99,4.02 LED43.2 ; LED44.4 343.62,24.43 v1(345.44,24.43)
Net-(LED44-DOUT): length 30.3
  Top w0.2: v1(333.38,43.48) 333.38,41.7 336.8,38.27 336.8,35.6 335.91,34.71 334.52,34.71 333.5,33.7 333.5,25.7 337.44,21.76 337.69,21.76 v1(337.95,22.01)
  Bottom w0.2: LED44.2 337.99,22.06 v1(337.95,22.01) ; v1(333.38,43.48) LED45.4
Net-(LED45-DOUT): length 39.2
  Top w0.2: v1(341.63,62.53) 338.58,59.48 330.83,59.48 321.82,50.46 v1(321.82,45.76)
  Bottom w0.2: v1(341.63,62.53) 341.25,62.53 341.22,62.5 LED46.4 ; LED45.2 323.6,42.08 321.82,43.86 v1(321.82,45.76)
Net-(LED46-DOUT): length 35.4
  Bottom w0.2: LED47.4 335.99,81.5 337.95,79.54 337.95,77.26 337.19,76.5 331.85,76.5 325.75,70.4 325.75,66.88 331.54,61.1 LED46.2
Net-(LED47-DOUT): length 24.8
  Bottom w0.2: LED48.4 307.19,83.1 313.44,83.1 316.43,80.1 LED47.2
Net-(LED48-DOUT): length 26.9
  Bottom w0.2: LED48.2 299.99,79.49 307.3,72.18 310.51,72.18 311.28,71.42 311.28,70.53 312.29,69.51 313.69,69.51 315.47,67.73 315.47,63.8 315.09,63.42 LED49.4
Net-(LED49-DOUT): length 58.2
  Bottom w0.2: LED49.2 309.49,60.49 311.14,58.84 311.15,58.84 312.29,57.7 312.29,39.29 310.77,37.76 304.93,37.76 302.13,34.97 302.13,29.25 305.69,25.7 316.61,25.7 317.49,24.82 LED50.4
Net-(LED50-DOUT): length 53
  Top w0.2: v1(326.01,6.14) 324.99,7.15 324.99,10.84 323.34,12.49 322.07,12.49 319.91,14.65 308.99,14.65 306.83,16.81 304.16,16.81 303.4,16.04 300.48,16.04 299.97,16.55 299.97,22.52 300.5,23.05 v1(310.28,23.05)
  Bottom w0.2: v1(326.01,6.14) 325.28,6.14 LED51.4 ; LED50.2 v1(310.28,23.05) 310.26,23.03
Net-(LED51-DOUT): length 16.4
  Top w0.2: v1(309.37,1.82) 316.87,1.82 v1(317.63,2.58)
  Bottom w0.2: LED52.4 306.63,5.45 309.37,2.71 v1(309.37,1.82) ; v1(317.63,2.58) 317.63,2.69 LED51.2
Net-(LED52-DOUT): length 17.2
  Top w0.2: v1(298.45,1.69) v1(290.32,1.69)
  Bottom w0.2: LED53.4 287.83,5.45 290.32,2.96 v1(290.32,1.69) ; v1(298.45,1.69) 299.99,3.23 LED52.2
Net-(LED53-DOUT): length 38.7
  Top w0.2: v1(285.37,19.85) 285.37,16.68 283.46,14.77 278.26,14.77 276.99,13.5 276.99,5.76 v1(279.78,2.96)
  Bottom w0.2: v1(285.37,19.85) 291.72,19.85 292.74,20.87 292.74,23.92 292.2,24.45 LED54.4 ; LED53.2 280.87,4.05 v1(279.78,2.96)
Net-(LED54-DOUT): length 40.2
  Top w0.2: v1(295.78,36.62) 295.78,34.21 291.72,30.14 291.72,23.16 289.81,21.25 v1(286.51,21.25) ; v1(302.26,45.38) 303.28,44.37 303.28,40.43 301.88,39.03 v1(298.2,39.03)
  Bottom w0.2: v1(302.26,45.38) 300.84,43.96 LED56.4 ; v1(295.78,36.62) v1(298.2,39.03) ; v1(286.51,21.25) 285.74,22.02 LED54.2
Net-(LED55-DIN): length 31
  Top w0.2: v1(294.13,40.56) 294.13,42.21 291.21,45.13 291.21,52.24 294.89,55.92 v1(297.81,55.92)
  Bottom w0.2: LED55.4 297.33,62.5 297.81,62.02 v1(297.81,55.92) ; v1(294.13,40.56) 295.24,41.66 LED56.2
Net-(LED55-DOUT): length 26.7
  Top w0.2: v1(286.13,62.15) v1(286.13,74.85)
  Bottom w0.2: v1(286.59,81.5) 287.86,81.5 288.54,80.81 288.54,77.26 v1(286.13,74.85) ; LED55.2 287.17,61.1 v1(286.13,62.15)
Net-(LED57-DOUT): length 17.3
  Top w0.2: v1(279.53,78.66) 279.02,78.15 275.46,78.15 274.95,77.64 v1(270.51,77.64)
  Bottom w0.2: LED58.4 268.81,81.5 270.51,79.8 v1(270.51,77.64) ; v1(279.53,78.66) 279.54,78.66 LED57.2
Net-(LED58-DOUT): length 25.9
  Bottom w0.2: LED58.2 261.99,79.49 269.56,71.92 273.05,71.92 277.09,67.88 LED59.4
Net-(LED59-DOUT): length 24.5
  Bottom w0.2: LED59.2 271.49,54.81 273.81,52.49 276.48,52.49 278,50.97 279.78,50.97 281.84,48.91 LED60.4
Net-(LED60-DOUT): length 23.8
  Bottom w0.2: LED61.4 272.34,29.96 269.37,32.94 269.37,34.71 270.89,36.24 274.45,36.24 276.24,38.03 LED60.2
Net-(LED61-DOUT): length 20.2
  Top w0.2: v1(270.26,18.84) 270.26,13.89 v1(268.48,12.11)
  Bottom w0.2: v1(268.48,12.11) 267.59,11.22 LED62.4 ; LED61.2 266.74,22.35 v1(270.26,18.84)
Net-(LED62-DOUT): length 27.9
  Top w0.2: v1(261.11,2.46) 256.03,7.54 v1(256.03,18.84)
  Bottom w0.2: LED62.2 261.99,3.33 v1(261.11,2.46) ; LED63.4 254.61,24.45 256.03,23.03 v1(256.03,18.84)
Net-(LED63-DOUT): length 39.5
  Top w0.2: v1(264.79,36.62) 260.22,36.62 253.49,29.89 253.49,21.51 v1(253.11,21.12)
  Bottom w0.2: LED64.4 265.18,43.48 265.94,42.71 265.94,37.76 v1(264.79,36.62) ; v1(253.11,21.12) 251.46,21.12 250.95,21.63 248.55,21.63 247.74,22.44 LED63.2
Net-(LED64-DOUT): length 34.6
  Top w0.2: v1(252.48,40.56) 252.48,50.46 257.05,55.03 v1(260.35,55.03)
  Bottom w0.2: LED64.2 257.24,41.46 256.33,40.56 v1(252.48,40.56) ; v1(260.35,55.03) 260.48,55.16 260.48,61.26 259.23,62.5 LED66.4
Net-(LED65-DIN): length 34.5
  Top w0.2: v1(248.54,61.64) v1(248.54,74.85)
  Bottom w0.2: v1(248.54,61.64) 249.07,61.1 LED66.2 ; v1(248.54,74.85) 248.54,78.74 242.96,84.31 LED65.4
Net-(LED65-DOUT): length 28.6
  Top w0.2: v1(224.58,88.3) 236.58,88.3 240.78,92.5 v1(248.28,92.5)
  Bottom w0.2: v1(248.28,92.5) 248.28,91.39 LED65.2 ; LED67.4 223.96,88.91 v1(224.58,88.3)
Net-(LED67-DOUT): length 33.1
  Bottom w0.2: LED68.4 239.09,67.91 235.78,71.22 235.78,85.8 230.48,91.1 LED67.2
Net-(LED68-DOUT): length 21.9
  Bottom w0.2: LED69.4 243.84,48.94 233.49,59.29 LED68.2
Net-(LED69-DOUT): length 25.1
  Bottom w0.2: LED69.2 238.24,37.75 236.85,36.36 233.17,36.36 231.52,34.71 231.52,32.43 234.82,29.12 234.82,27.98 235.97,26.84 235.97,26.08 LED70.4
Net-(LED70-DOUT): length 24.4
  Top w0.2: v1(226.95,22.14) 227.01,22.14 229.29,19.85 v1(229.36,19.85)
  Bottom w0.2: v1(226.95,22.14) 227.83,22.14 LED70.2 ; v1(229.36,19.85) 230.12,19.85 239.12,10.86 LED71.4
Net-(LED71-DOUT): length 54.2
  Top w0.2: v1(232.41,1.44) 230.12,1.44 229.24,2.33 229.24,18.08 224.66,22.65 224.66,34.33 227.33,37 v1(228.47,37)
  Bottom w0.2: v1(232.41,1.44) 233.52,2.55 LED71.2 ; LED72.4 226.19,43.48 228.47,41.19 v1(228.47,37)
Net-(LED72-DOUT): length 31.4
  Top w0.2: v1(218.06,41.19) 217.42,41.19 214.88,43.73 214.88,51.35 219.58,56.05 v1(222.63,56.05)
  Bottom w0.2: 220.09,62.5 221.51,62.5 222.63,61.38 v1(222.63,56.05) ; v1(218.06,41.19) 218.35,41.19 LED72.2
Net-(LED73-DOUT): length 30.4
  Top w0.2: v1(214,74.85) 209.8,70.65 v1(209.8,61.51)
  Bottom w0.2: v1(209.8,61.51) 211.71,59.61 213.23,59.61 214.43,60.8 214.43,61.04 LED73.2 ; 210.59,81.5 212.29,81.5 214,79.8 v1(214,74.85)
Net-(LED74-DOUT): length 19.3
  Top w0.2: v1(203.58,73.83) 203.58,71.78 201.04,69.24 v1(201.04,63.67)
  Bottom w0.2: v1(201.04,63.67) 201.04,62.55 201.09,62.5 ; v1(203.58,73.83) 204.99,75.24 LED74.2
Net-(LED75-DOUT): length 21.9
  Bottom w0.2: LED76.4 205.84,48.84 202.56,52.11 202.56,53.51 195.49,60.58 LED75.2
Net-(LED76-DOUT): length 26.6
  Bottom w0.2: LED76.2 200.24,41.46 200.87,40.83 205.59,40.83 212.6,33.82 212.6,32.43 215.34,29.68 LED77.4
Net-(LED77-DOUT): length 19.8
  Top w0.2: v1(210.57,6.39) 210.57,10.84 208.03,13.38 v1(208.03,22.01)
  Bottom w0.2: v1(208.03,22.01) 208.7,22.01 LED77.2 ; 210.59,5.45 210.57,5.48 v1(210.57,6.39)

## Copper pours and planes (outline as drawn; the poured copper is in the pictures)
GND on Top, Bottom: 173.23,95.01 173.23,78.73 163.7,78.73 163.7,54.92 168.47,54.92 168.47,35.87 177.99,35.87 177.99,21.58 173.23,21.58 173.23,0.15 0.19,0.15 0.19,95.01
GND2 on Top, Bottom: 369.19,94.91 200.79,94.91 200.79,73.83 191.39,73.83 191.39,59.61 191.52,59.48 196.09,59.48 196.09,40.56 205.49,40.56 205.61,40.43 205.61,16.43 200.91,16.43 200.91,0.04 369.32,0.04 369.32,94.78
